# KiCad board F02-Func-Decoder-p.kicad_pcb (continued)
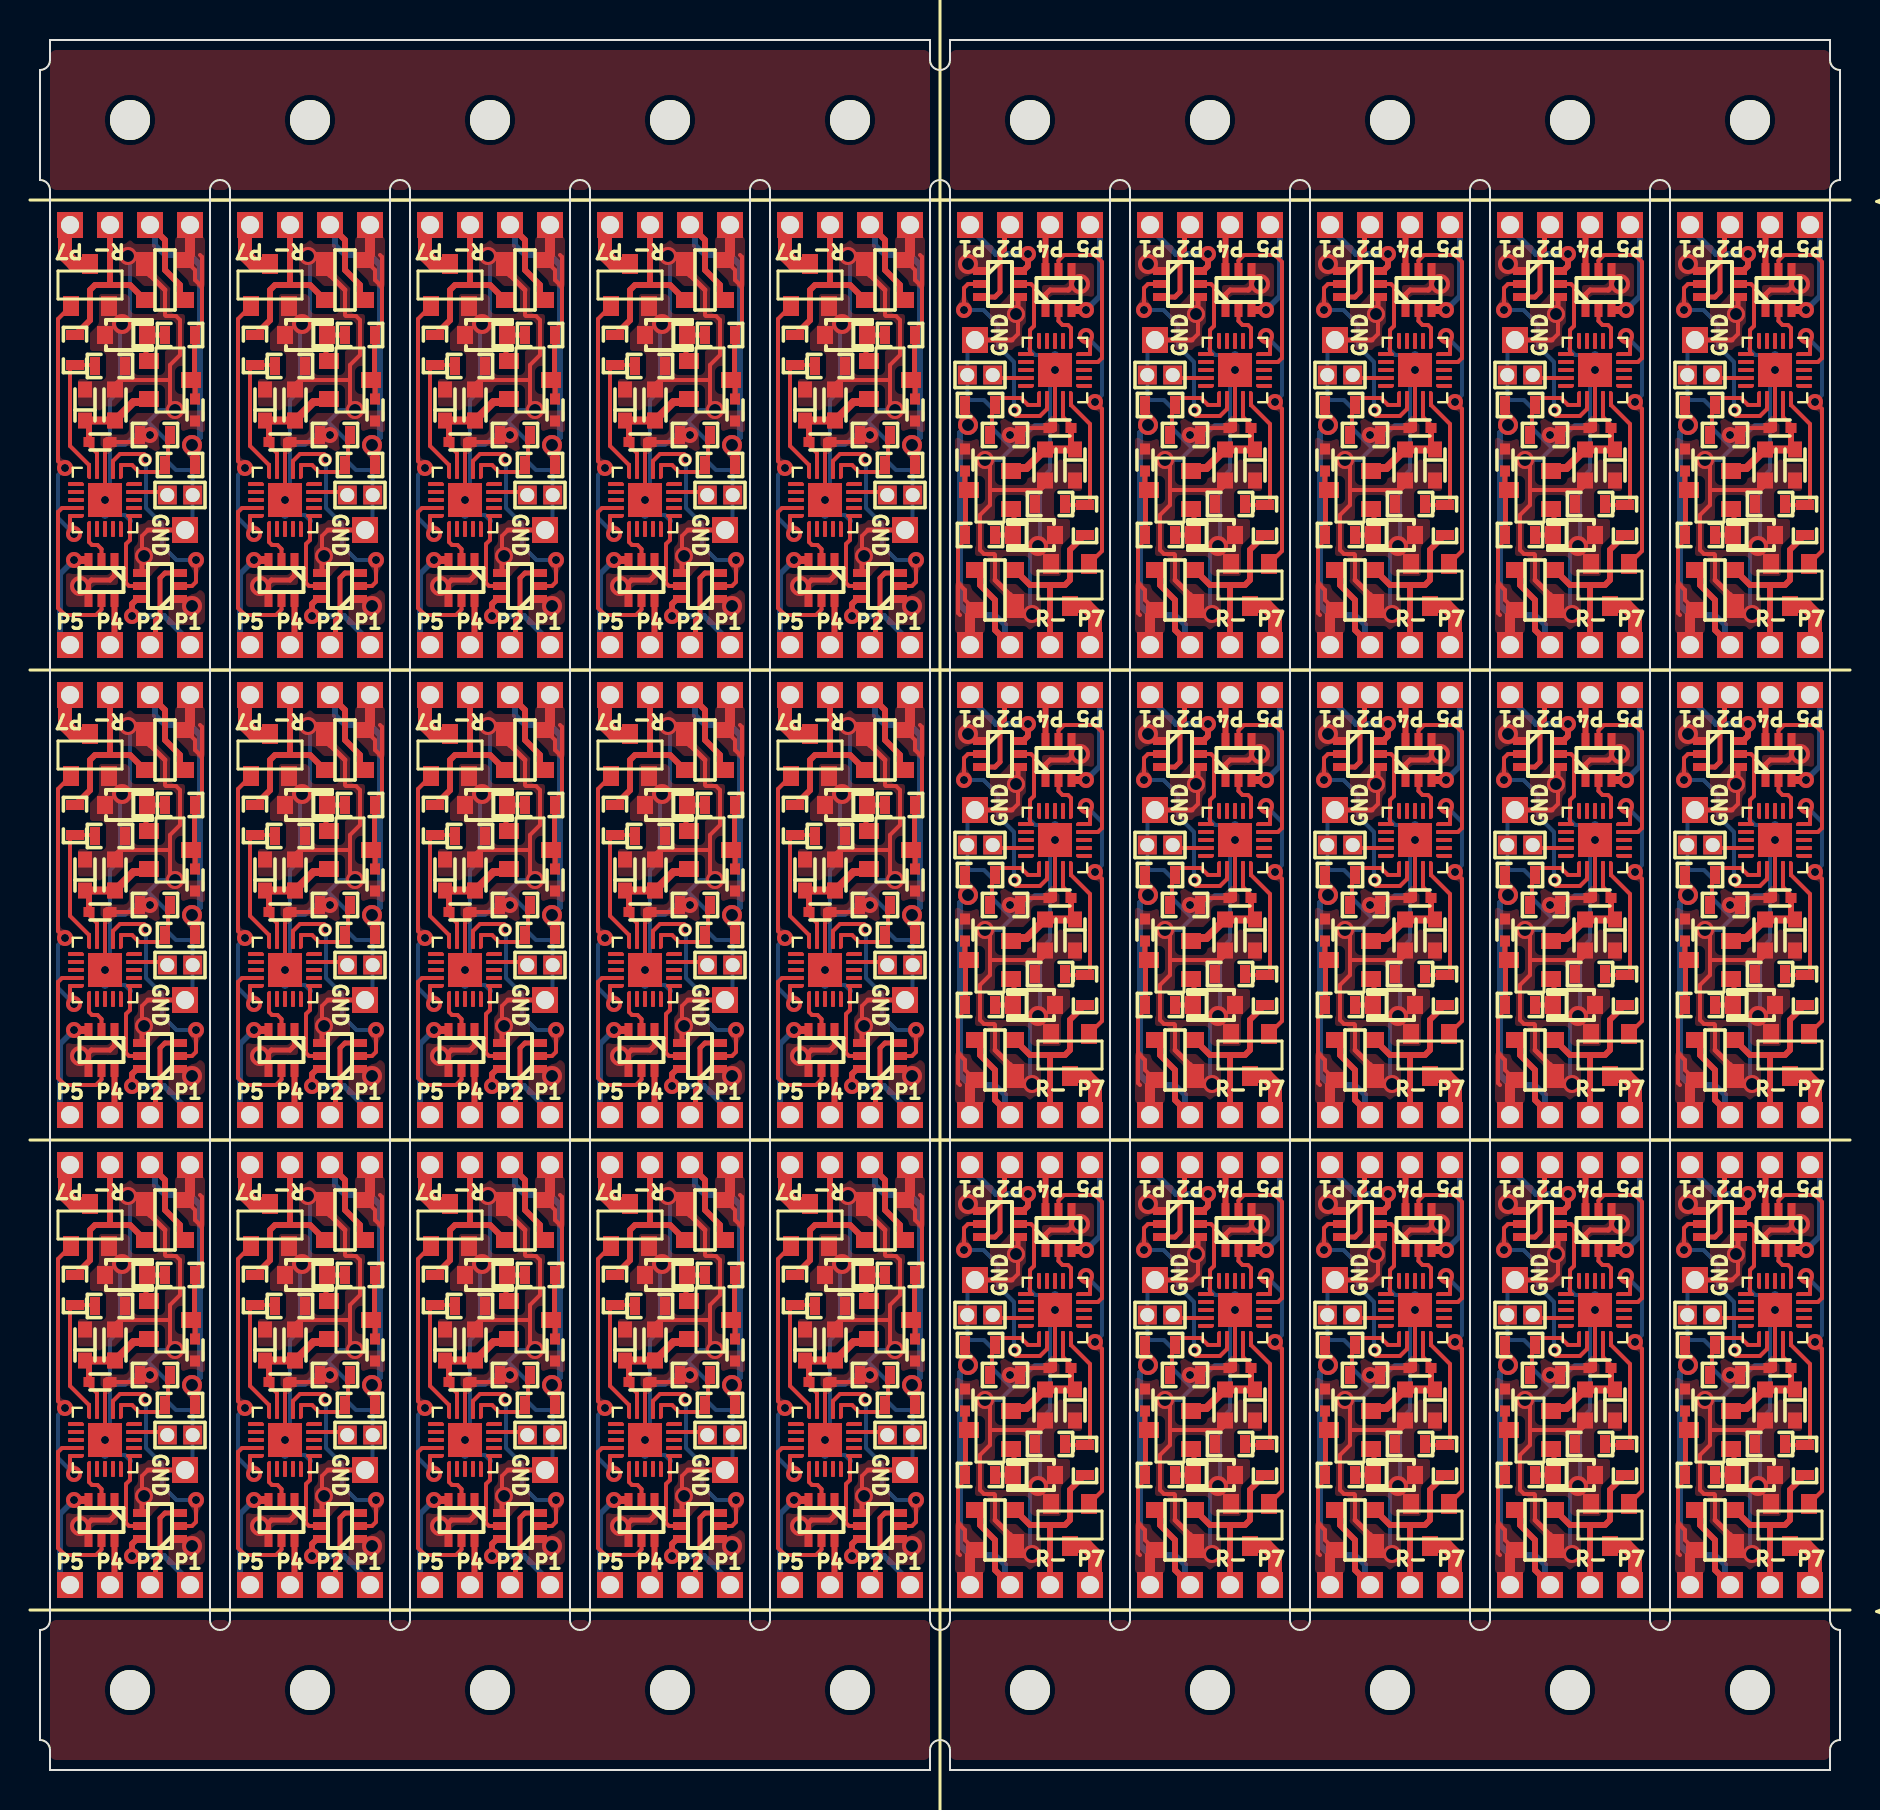
[diagram p0: board, top side]
## Placement (name value [footprint] x y rotation side) (continued)
P16  PAD  [PAD_1.3x1.3_Hole0.9]  57.5 9.25 270 top
P16#2  PAD  [PAD_1.3x1.3_Hole0.9]  32.5 77.25 90 top
P17  PAD  [PAD_1.3x1.3_Hole0.9]  30.5 77.25 90 top
P17#2  PAD  [PAD_1.3x1.3_Hole0.9]  59.5 9.25 270 top
P18  PAD  [PAD_1.3x1.3_Hole0.9]  34.5 77.25 90 top
P18#2  PAD  [PAD_1.3x1.3_Hole0.9]  55.5 9.25 270 top
P19  PAD  [PAD_1.3x1.3_Hole0.9]  34.25 62 270 top
P19#2  PAD  [PAD_1.3x1.3_Hole0.9]  55.75 24.5 90 top
P20  PROG  [PAD_PROG_2PIN_HOLE0.7]  34 63.75 0 top
P20#2  PROG  [PAD_PROG_2PIN_HOLE0.7]  56 22.75 180 top
P21  PAD  [PAD_1.3x1.3_Hole0.9]  48.5 9.25 270 top
P21#2  PAD  [PAD_1.3x1.3_Hole0.9]  41.5 77.25 90 top
P22  PAD  [PAD_1.3x1.3_Hole0.9]  39.5 77.25 90 top
P22#2  PAD  [PAD_1.3x1.3_Hole0.9]  50.5 9.25 270 top
P23  PAD  [PAD_1.3x1.3_Hole0.9]  46.5 9.25 270 top
P23#2  PAD  [PAD_1.3x1.3_Hole0.9]  43.5 77.25 90 top
P24  PAD  [PAD_1.3x1.3_Hole0.9]  46.75 24.5 90 top
P24#2  PAD  [PAD_1.3x1.3_Hole0.9]  43.25 62 270 top
P25  PROG  [PAD_PROG_2PIN_HOLE0.7]  47 22.75 180 top
P25#2  PROG  [PAD_PROG_2PIN_HOLE0.7]  43 63.75 0 top
P26  PAD  [PAD_1.3x1.3_Hole0.9]  84.5 32.75 270 top
P26#2  PAD  [PAD_1.3x1.3_Hole0.9]  5.5 53.75 90 top
P27  PAD  [PAD_1.3x1.3_Hole0.9]  86.5 32.75 270 top
P27#2  PAD  [PAD_1.3x1.3_Hole0.9]  3.5 53.75 90 top
P28  PAD  [PAD_1.3x1.3_Hole0.9]  7.5 53.75 90 top
P28#2  PAD  [PAD_1.3x1.3_Hole0.9]  82.5 32.75 270 top
P29  PAD  [PAD_1.3x1.3_Hole0.9]  82.75 48 90 top
P29#2  PAD  [PAD_1.3x1.3_Hole0.9]  7.25 38.5 270 top
P30  PROG  [PAD_PROG_2PIN_HOLE0.7]  7 40.25 0 top
P30#2  PROG  [PAD_PROG_2PIN_HOLE0.7]  83 46.25 180 top
P31  PAD  [PAD_1.3x1.3_Hole0.9]  75.5 32.75 270 top
P31#2  PAD  [PAD_1.3x1.3_Hole0.9]  14.5 53.75 90 top
P32  PAD  [PAD_1.3x1.3_Hole0.9]  12.5 53.75 90 top
P32#2  PAD  [PAD_1.3x1.3_Hole0.9]  77.5 32.75 270 top
P33  PAD  [PAD_1.3x1.3_Hole0.9]  73.5 32.75 270 top
P33#2  PAD  [PAD_1.3x1.3_Hole0.9]  16.5 53.75 90 top
P34  PAD  [PAD_1.3x1.3_Hole0.9]  73.75 48 90 top
P34#2  PAD  [PAD_1.3x1.3_Hole0.9]  16.25 38.5 270 top
P35  PROG  [PAD_PROG_2PIN_HOLE0.7]  16 40.25 0 top
P35#2  PROG  [PAD_PROG_2PIN_HOLE0.7]  74 46.25 180 top
P36  PAD  [PAD_1.3x1.3_Hole0.9]  66.5 32.75 270 top
P36#2  PAD  [PAD_1.3x1.3_Hole0.9]  23.5 53.75 90 top
P37  PAD  [PAD_1.3x1.3_Hole0.9]  68.5 32.75 270 top
P37#2  PAD  [PAD_1.3x1.3_Hole0.9]  21.5 53.75 90 top
P38  PAD  [PAD_1.3x1.3_Hole0.9]  25.5 53.75 90 top
P38#2  PAD  [PAD_1.3x1.3_Hole0.9]  64.5 32.75 270 top
P39  PAD  [PAD_1.3x1.3_Hole0.9]  25.25 38.5 270 top
P39#2  PAD  [PAD_1.3x1.3_Hole0.9]  64.75 48 90 top
P40  PROG  [PAD_PROG_2PIN_HOLE0.7]  25 40.25 0 top
P40#2  PROG  [PAD_PROG_2PIN_HOLE0.7]  65 46.25 180 top
P41  PAD  [PAD_1.3x1.3_Hole0.9]  57.5 32.75 270 top
P41#2  PAD  [PAD_1.3x1.3_Hole0.9]  32.5 53.75 90 top
P42  PAD  [PAD_1.3x1.3_Hole0.9]  30.5 53.75 90 top
P42#2  PAD  [PAD_1.3x1.3_Hole0.9]  59.5 32.75 270 top
P43  PAD  [PAD_1.3x1.3_Hole0.9]  55.5 32.75 270 top
P43#2  PAD  [PAD_1.3x1.3_Hole0.9]  34.5 53.75 90 top
P44  PAD  [PAD_1.3x1.3_Hole0.9]  34.25 38.5 270 top
P44#2  PAD  [PAD_1.3x1.3_Hole0.9]  55.75 48 90 top
P45  PROG  [PAD_PROG_2PIN_HOLE0.7]  56 46.25 180 top
P45#2  PROG  [PAD_PROG_2PIN_HOLE0.7]  34 40.25 0 top
P46  PAD  [PAD_1.3x1.3_Hole0.9]  41.5 53.75 90 top
P46#2  PAD  [PAD_1.3x1.3_Hole0.9]  48.5 32.75 270 top
P47  PAD  [PAD_1.3x1.3_Hole0.9]  39.5 53.75 90 top
P47#2  PAD  [PAD_1.3x1.3_Hole0.9]  50.5 32.75 270 top
P48  PAD  [PAD_1.3x1.3_Hole0.9]  43.5 53.75 90 top
P48#2  PAD  [PAD_1.3x1.3_Hole0.9]  46.5 32.75 270 top
P49  PAD  [PAD_1.3x1.3_Hole0.9]  43.25 38.5 270 top
P49#2  PAD  [PAD_1.3x1.3_Hole0.9]  46.75 48 90 top
P50  PROG  [PAD_PROG_2PIN_HOLE0.7]  47 46.25 180 top
P50#2  PROG  [PAD_PROG_2PIN_HOLE0.7]  43 40.25 0 top
P51  PAD  [PAD_1.3x1.3_Hole0.9]  5.5 30.25 90 top
P51#2  PAD  [PAD_1.3x1.3_Hole0.9]  84.5 56.25 270 top
P52  PAD  [PAD_1.3x1.3_Hole0.9]  86.5 56.25 270 top
P52#2  PAD  [PAD_1.3x1.3_Hole0.9]  3.5 30.25 90 top
P53  PAD  [PAD_1.3x1.3_Hole0.9]  7.5 30.25 90 top
P53#2  PAD  [PAD_1.3x1.3_Hole0.9]  82.5 56.25 270 top
P54  PAD  [PAD_1.3x1.3_Hole0.9]  7.25 15 270 top
P54#2  PAD  [PAD_1.3x1.3_Hole0.9]  82.75 71.5 90 top
P55  PROG  [PAD_PROG_2PIN_HOLE0.7]  83 69.75 180 top
P55#2  PROG  [PAD_PROG_2PIN_HOLE0.7]  7 16.75 0 top
P56  PAD  [PAD_1.3x1.3_Hole0.9]  14.5 30.25 90 top
P56#2  PAD  [PAD_1.3x1.3_Hole0.9]  75.5 56.25 270 top
P57  PAD  [PAD_1.3x1.3_Hole0.9]  12.5 30.25 90 top
P57#2  PAD  [PAD_1.3x1.3_Hole0.9]  77.5 56.25 270 top
P58  PAD  [PAD_1.3x1.3_Hole0.9]  73.5 56.25 270 top
P58#2  PAD  [PAD_1.3x1.3_Hole0.9]  16.5 30.25 90 top
P59  PAD  [PAD_1.3x1.3_Hole0.9]  73.75 71.5 90 top
P59#2  PAD  [PAD_1.3x1.3_Hole0.9]  16.25 15 270 top
P60  PROG  [PAD_PROG_2PIN_HOLE0.7]  74 69.75 180 top
P60#2  PROG  [PAD_PROG_2PIN_HOLE0.7]  16 16.75 0 top
P61  PAD  [PAD_1.3x1.3_Hole0.9]  23.5 30.25 90 top
P61#2  PAD  [PAD_1.3x1.3_Hole0.9]  66.5 56.25 270 top
P62  PAD  [PAD_1.3x1.3_Hole0.9]  68.5 56.25 270 top
P62#2  PAD  [PAD_1.3x1.3_Hole0.9]  21.5 30.25 90 top
P63  PAD  [PAD_1.3x1.3_Hole0.9]  25.5 30.25 90 top
P63#2  PAD  [PAD_1.3x1.3_Hole0.9]  64.5 56.25 270 top
P64  PAD  [PAD_1.3x1.3_Hole0.9]  25.25 15 270 top
P64#2  PAD  [PAD_1.3x1.3_Hole0.9]  64.75 71.5 90 top
P65  PROG  [PAD_PROG_2PIN_HOLE0.7]  25 16.75 0 top
P65#2  PROG  [PAD_PROG_2PIN_HOLE0.7]  65 69.75 180 top
P66  PAD  [PAD_1.3x1.3_Hole0.9]  32.5 30.25 90 top
P66#2  PAD  [PAD_1.3x1.3_Hole0.9]  57.5 56.25 270 top
P67  PAD  [PAD_1.3x1.3_Hole0.9]  59.5 56.25 270 top
P67#2  PAD  [PAD_1.3x1.3_Hole0.9]  30.5 30.25 90 top
P68  PAD  [PAD_1.3x1.3_Hole0.9]  55.5 56.25 270 top
P68#2  PAD  [PAD_1.3x1.3_Hole0.9]  34.5 30.25 90 top
P69  PAD  [PAD_1.3x1.3_Hole0.9]  55.75 71.5 90 top
P69#2  PAD  [PAD_1.3x1.3_Hole0.9]  34.25 15 270 top
P70  PROG  [PAD_PROG_2PIN_HOLE0.7]  34 16.75 0 top
P70#2  PROG  [PAD_PROG_2PIN_HOLE0.7]  56 69.75 180 top
P71  PAD  [PAD_1.3x1.3_Hole0.9]  41.5 30.25 90 top
P71#2  PAD  [PAD_1.3x1.3_Hole0.9]  48.5 56.25 270 top
P72  PAD  [PAD_1.3x1.3_Hole0.9]  50.5 56.25 270 top
P72#2  PAD  [PAD_1.3x1.3_Hole0.9]  39.5 30.25 90 top
P73  PAD  [PAD_1.3x1.3_Hole0.9]  43.5 30.25 90 top
P73#2  PAD  [PAD_1.3x1.3_Hole0.9]  46.5 56.25 270 top
P74  PAD  [PAD_1.3x1.3_Hole0.9]  46.75 71.5 90 top
P74#2  PAD  [PAD_1.3x1.3_Hole0.9]  43.25 15 270 top
P75  PROG  [PAD_PROG_2PIN_HOLE0.7]  43 16.75 0 top
P75#2  PROG  [PAD_PROG_2PIN_HOLE0.7]  47 69.75 180 top
Q1  2SC4116  [SOT-23]  6.5 69.5 270 top
Q1#2  2SC4116  [SOT-23]  83.5 17 90 top
Q2  2N7002DW  [SOT-363-nomark-v2]  84 27.3 270 top
Q2#2  2N7002DW  [SOT-363-nomark-v2]  6 59.2 90 top
Q3  SSM3K7002CFU  [SOT-23]  87.5 12.25 180 top
Q3#2  SSM3K7002CFU  [SOT-23]  2.5 74.25 0 top
Q4  2N7002DW  [SOT-363-nomark-v2]  3.08 59.5 180 top
Q4#2  2N7002DW  [SOT-363-nomark-v2]  86.93 27 0 top
Q5  2SC4116  [SOT-23]  74.5 17 90 top
Q5#2  2SC4116  [SOT-23]  15.5 69.5 270 top
Q6  2N7002DW  [SOT-363-nomark-v2]  15 59.2 90 top
Q6#2  2N7002DW  [SOT-363-nomark-v2]  75 27.3 270 top
Q7  SSM3K7002CFU  [SOT-23]  11.5 74.25 0 top
Q7#2  SSM3K7002CFU  [SOT-23]  78.5 12.25 180 top
Q8  2N7002DW  [SOT-363-nomark-v2]  12.08 59.5 180 top
Q8#2  2N7002DW  [SOT-363-nomark-v2]  77.93 27 0 top
Q9  2SC4116  [SOT-23]  24.5 69.5 270 top
Q9#2  2SC4116  [SOT-23]  65.5 17 90 top
Q10  2N7002DW  [SOT-363-nomark-v2]  66 27.3 270 top
Q10#2  2N7002DW  [SOT-363-nomark-v2]  24 59.2 90 top
Q11  SSM3K7002CFU  [SOT-23]  20.5 74.25 0 top
Q11#2  SSM3K7002CFU  [SOT-23]  69.5 12.25 180 top
Q12  2N7002DW  [SOT-363-nomark-v2]  68.93 27 0 top
Q12#2  2N7002DW  [SOT-363-nomark-v2]  21.08 59.5 180 top
Q13  2SC4116  [SOT-23]  56.5 17 90 top
Q13#2  2SC4116  [SOT-23]  33.5 69.5 270 top
Q14  2N7002DW  [SOT-363-nomark-v2]  57 27.3 270 top
Q14#2  2N7002DW  [SOT-363-nomark-v2]  33 59.2 90 top
Q15  SSM3K7002CFU  [SOT-23]  29.5 74.25 0 top
Q15#2  SSM3K7002CFU  [SOT-23]  60.5 12.25 180 top
Q16  2N7002DW  [SOT-363-nomark-v2]  59.93 27 0 top
Q16#2  2N7002DW  [SOT-363-nomark-v2]  30.07 59.5 180 top
Q17  2SC4116  [SOT-23]  42.5 69.5 270 top
Q17#2  2SC4116  [SOT-23]  47.5 17 90 top
Q18  2N7002DW  [SOT-363-nomark-v2]  48 27.3 270 top
Q18#2  2N7002DW  [SOT-363-nomark-v2]  42 59.2 90 top
Q19  SSM3K7002CFU  [SOT-23]  51.5 12.25 180 top
Q19#2  SSM3K7002CFU  [SOT-23]  38.5 74.25 0 top
Q20  2N7002DW  [SOT-363-nomark-v2]  39.07 59.5 180 top
Q20#2  2N7002DW  [SOT-363-nomark-v2]  50.93 27 0 top
Q21  2SC4116  [SOT-23]  6.5 46 270 top
Q21#2  2SC4116  [SOT-23]  83.5 40.5 90 top
Q22  2N7002DW  [SOT-363-nomark-v2]  6 35.7 90 top
Q22#2  2N7002DW  [SOT-363-nomark-v2]  84 50.8 270 top
Q23  SSM3K7002CFU  [SOT-23]  2.5 50.75 0 top
Q23#2  SSM3K7002CFU  [SOT-23]  87.5 35.75 180 top
Q24  2N7002DW  [SOT-363-nomark-v2]  3.08 36 180 top
Q24#2  2N7002DW  [SOT-363-nomark-v2]  86.93 50.5 0 top
Q25  2SC4116  [SOT-23]  74.5 40.5 90 top
Q25#2  2SC4116  [SOT-23]  15.5 46 270 top
Q26  2N7002DW  [SOT-363-nomark-v2]  15 35.7 90 top
Q26#2  2N7002DW  [SOT-363-nomark-v2]  75 50.8 270 top
Q27  SSM3K7002CFU  [SOT-23]  11.5 50.75 0 top
Q27#2  SSM3K7002CFU  [SOT-23]  78.5 35.75 180 top
Q28  2N7002DW  [SOT-363-nomark-v2]  77.93 50.5 0 top
Q28#2  2N7002DW  [SOT-363-nomark-v2]  12.08 36 180 top
Q29  2SC4116  [SOT-23]  65.5 40.5 90 top
Q29#2  2SC4116  [SOT-23]  24.5 46 270 top
Q30  2N7002DW  [SOT-363-nomark-v2]  66 50.8 270 top
Q30#2  2N7002DW  [SOT-363-nomark-v2]  24 35.7 90 top
Q31  SSM3K7002CFU  [SOT-23]  20.5 50.75 0 top
Q31#2  SSM3K7002CFU  [SOT-23]  69.5 35.75 180 top
Q32  2N7002DW  [SOT-363-nomark-v2]  21.08 36 180 top
Q32#2  2N7002DW  [SOT-363-nomark-v2]  68.93 50.5 0 top
Q33  2SC4116  [SOT-23]  33.5 46 270 top
Q33#2  2SC4116  [SOT-23]  56.5 40.5 90 top
Q34  2N7002DW  [SOT-363-nomark-v2]  57 50.8 270 top
Q34#2  2N7002DW  [SOT-363-nomark-v2]  33 35.7 90 top
Q35  SSM3K7002CFU  [SOT-23]  60.5 35.75 180 top
Q35#2  SSM3K7002CFU  [SOT-23]  29.5 50.75 0 top
Q36  2N7002DW  [SOT-363-nomark-v2]  30.07 36 180 top
Q36#2  2N7002DW  [SOT-363-nomark-v2]  59.93 50.5 0 top
Q37  2SC4116  [SOT-23]  42.5 46 270 top
Q37#2  2SC4116  [SOT-23]  47.5 40.5 90 top
Q38  2N7002DW  [SOT-363-nomark-v2]  42 35.7 90 top
Q38#2  2N7002DW  [SOT-363-nomark-v2]  48 50.8 270 top
Q39  SSM3K7002CFU  [SOT-23]  38.5 50.75 0 top
Q39#2  SSM3K7002CFU  [SOT-23]  51.5 35.75 180 top
Q40  2N7002DW  [SOT-363-nomark-v2]  39.07 36 180 top
Q40#2  2N7002DW  [SOT-363-nomark-v2]  50.93 50.5 0 top
Q41  2SC4116  [SOT-23]  6.5 22.5 270 top
Q41#2  2SC4116  [SOT-23]  83.5 64 90 top
Q42  2N7002DW  [SOT-363-nomark-v2]  84 74.3 270 top
Q42#2  2N7002DW  [SOT-363-nomark-v2]  6 12.2 90 top
Q43  SSM3K7002CFU  [SOT-23]  87.5 59.25 180 top
Q43#2  SSM3K7002CFU  [SOT-23]  2.5 27.25 0 top
Q44  2N7002DW  [SOT-363-nomark-v2]  3.08 12.5 180 top
Q44#2  2N7002DW  [SOT-363-nomark-v2]  86.93 74 0 top
Q45  2SC4116  [SOT-23]  15.5 22.5 270 top
Q45#2  2SC4116  [SOT-23]  74.5 64 90 top
Q46  2N7002DW  [SOT-363-nomark-v2]  15 12.2 90 top
Q46#2  2N7002DW  [SOT-363-nomark-v2]  75 74.3 270 top
Q47  SSM3K7002CFU  [SOT-23]  78.5 59.25 180 top
Q47#2  SSM3K7002CFU  [SOT-23]  11.5 27.25 0 top
Q48  2N7002DW  [SOT-363-nomark-v2]  12.08 12.5 180 top
Q48#2  2N7002DW  [SOT-363-nomark-v2]  77.93 74 0 top
Q49  2SC4116  [SOT-23]  65.5 64 90 top
Q49#2  2SC4116  [SOT-23]  24.5 22.5 270 top
Q50  2N7002DW  [SOT-363-nomark-v2]  24 12.2 90 top
Q50#2  2N7002DW  [SOT-363-nomark-v2]  66 74.3 270 top
Q51  SSM3K7002CFU  [SOT-23]  69.5 59.25 180 top
Q51#2  SSM3K7002CFU  [SOT-23]  20.5 27.25 0 top
Q52  2N7002DW  [SOT-363-nomark-v2]  68.93 74 0 top
Q52#2  2N7002DW  [SOT-363-nomark-v2]  21.08 12.5 180 top
Q53  2SC4116  [SOT-23]  33.5 22.5 270 top
Q53#2  2SC4116  [SOT-23]  56.5 64 90 top
Q54  2N7002DW  [SOT-363-nomark-v2]  57 74.3 270 top
Q54#2  2N7002DW  [SOT-363-nomark-v2]  33 12.2 90 top
Q55  SSM3K7002CFU  [SOT-23]  29.5 27.25 0 top
Q55#2  SSM3K7002CFU  [SOT-23]  60.5 59.25 180 top
Q56  2N7002DW  [SOT-363-nomark-v2]  30.07 12.5 180 top
Q56#2  2N7002DW  [SOT-363-nomark-v2]  59.93 74 0 top
Q57  2SC4116  [SOT-23]  42.5 22.5 270 top
Q57#2  2SC4116  [SOT-23]  47.5 64 90 top
Q58  2N7002DW  [SOT-363-nomark-v2]  42 12.2 90 top
Q58#2  2N7002DW  [SOT-363-nomark-v2]  48 74.3 270 top
Q59  SSM3K7002CFU  [SOT-23]  38.5 27.25 0 top
Q59#2  SSM3K7002CFU  [SOT-23]  51.5 59.25 180 top
Q60  2N7002DW  [SOT-363-nomark-v2]  50.93 74 0 top
Q60#2  2N7002DW  [SOT-363-nomark-v2]  39.07 12.5 180 top
R1  104  [R_1608_20240411]  7 65.25 180 top
R1#2  104  [R_1608_20240411]  83 21.25 0 top
R2  104  [R_1608_20240411]  88.25 15.5 90 top
R2#2  104  [R_1608_20240411]  1.75 71 270 top
R3  104  [R_1608_20240411]  84.25 19.75 0 top
R3#2  104  [R_1608_20240411]  5.75 66.75 180 top
R4  104  [R_1608_20240411]  86.5 16.3 180 top
R4#2  104  [R_1608_20240411]  3.5 70.2 0 top
R5  472  [R_1608_20240411]  83 14.75 0 top
R5#2  472  [R_1608_20240411]  7 71.75 180 top
R6  104  [R_1608_20240411]  16 65.25 180 top
R6#2  104  [R_1608_20240411]  74 21.25 0 top
R7  104  [R_1608_20240411]  79.25 15.5 90 top
R7#2  104  [R_1608_20240411]  10.75 71 270 top
R8  104  [R_1608_20240411]  14.75 66.75 180 top
R8#2  104  [R_1608_20240411]  75.25 19.75 0 top
R9  104  [R_1608_20240411]  77.5 16.3 180 top
R9#2  104  [R_1608_20240411]  12.5 70.2 0 top
R10  472  [R_1608_20240411]  16 71.75 180 top
R10#2  472  [R_1608_20240411]  74 14.75 0 top
R11  104  [R_1608_20240411]  25 65.25 180 top
R11#2  104  [R_1608_20240411]  65 21.25 0 top
R12  104  [R_1608_20240411]  70.25 15.5 90 top
R12#2  104  [R_1608_20240411]  19.75 71 270 top
R13  104  [R_1608_20240411]  66.25 19.75 0 top
R13#2  104  [R_1608_20240411]  23.75 66.75 180 top
R14  104  [R_1608_20240411]  21.5 70.2 0 top
R14#2  104  [R_1608_20240411]  68.5 16.3 180 top
R15  472  [R_1608_20240411]  65 14.75 0 top
R15#2  472  [R_1608_20240411]  25 71.75 180 top
R16  104  [R_1608_20240411]  56 21.25 0 top
R16#2  104  [R_1608_20240411]  34 65.25 180 top
R17  104  [R_1608_20240411]  61.25 15.5 90 top
R17#2  104  [R_1608_20240411]  28.75 71 270 top
R18  104  [R_1608_20240411]  32.75 66.75 180 top
R18#2  104  [R_1608_20240411]  57.25 19.75 0 top
R19  104  [R_1608_20240411]  30.5 70.2 0 top
R19#2  104  [R_1608_20240411]  59.5 16.3 180 top
R20  472  [R_1608_20240411]  56 14.75 0 top
R20#2  472  [R_1608_20240411]  34 71.75 180 top
R21  104  [R_1608_20240411]  47 21.25 0 top
R21#2  104  [R_1608_20240411]  43 65.25 180 top
R22  104  [R_1608_20240411]  52.25 15.5 90 top
R22#2  104  [R_1608_20240411]  37.75 71 270 top
R23  104  [R_1608_20240411]  41.75 66.75 180 top
R23#2  104  [R_1608_20240411]  48.25 19.75 0 top
R24  104  [R_1608_20240411]  39.5 70.2 0 top
R24#2  104  [R_1608_20240411]  50.5 16.3 180 top
R25  472  [R_1608_20240411]  47 14.75 0 top
R25#2  472  [R_1608_20240411]  43 71.75 180 top
R26  104  [R_1608_20240411]  7 41.75 180 top
R26#2  104  [R_1608_20240411]  83 44.75 0 top
R27  104  [R_1608_20240411]  88.25 39 90 top
R27#2  104  [R_1608_20240411]  1.75 47.5 270 top
R28  104  [R_1608_20240411]  5.75 43.25 180 top
R28#2  104  [R_1608_20240411]  84.25 43.25 0 top
R29  104  [R_1608_20240411]  86.5 39.8 180 top
R29#2  104  [R_1608_20240411]  3.5 46.7 0 top
R30  472  [R_1608_20240411]  83 38.25 0 top
R30#2  472  [R_1608_20240411]  7 48.25 180 top
R31  104  [R_1608_20240411]  74 44.75 0 top
R31#2  104  [R_1608_20240411]  16 41.75 180 top
R32  104  [R_1608_20240411]  10.75 47.5 270 top
R32#2  104  [R_1608_20240411]  79.25 39 90 top
R33  104  [R_1608_20240411]  75.25 43.25 0 top
R33#2  104  [R_1608_20240411]  14.75 43.25 180 top
R34  104  [R_1608_20240411]  77.5 39.8 180 top
R34#2  104  [R_1608_20240411]  12.5 46.7 0 top
R35  472  [R_1608_20240411]  74 38.25 0 top
R35#2  472  [R_1608_20240411]  16 48.25 180 top
R36  104  [R_1608_20240411]  25 41.75 180 top
R36#2  104  [R_1608_20240411]  65 44.75 0 top
R37  104  [R_1608_20240411]  19.75 47.5 270 top
R37#2  104  [R_1608_20240411]  70.25 39 90 top
R38  104  [R_1608_20240411]  66.25 43.25 0 top
R38#2  104  [R_1608_20240411]  23.75 43.25 180 top
R39  104  [R_1608_20240411]  21.5 46.7 0 top
R39#2  104  [R_1608_20240411]  68.5 39.8 180 top
R40  472  [R_1608_20240411]  65 38.25 0 top
R40#2  472  [R_1608_20240411]  25 48.25 180 top
R41  104  [R_1608_20240411]  34 41.75 180 top
R41#2  104  [R_1608_20240411]  56 44.75 0 top
R42  104  [R_1608_20240411]  61.25 39 90 top
R42#2  104  [R_1608_20240411]  28.75 47.5 270 top
R43  104  [R_1608_20240411]  57.25 43.25 0 top
R43#2  104  [R_1608_20240411]  32.75 43.25 180 top
R44  104  [R_1608_20240411]  30.5 46.7 0 top
R44#2  104  [R_1608_20240411]  59.5 39.8 180 top
R45  472  [R_1608_20240411]  34 48.25 180 top
R45#2  472  [R_1608_20240411]  56 38.25 0 top
R46  104  [R_1608_20240411]  43 41.75 180 top
R46#2  104  [R_1608_20240411]  47 44.75 0 top
R47  104  [R_1608_20240411]  37.75 47.5 270 top
R47#2  104  [R_1608_20240411]  52.25 39 90 top
R48  104  [R_1608_20240411]  41.75 43.25 180 top
R48#2  104  [R_1608_20240411]  48.25 43.25 0 top
R49  104  [R_1608_20240411]  39.5 46.7 0 top
R49#2  104  [R_1608_20240411]  50.5 39.8 180 top
R50  472  [R_1608_20240411]  47 38.25 0 top
R50#2  472  [R_1608_20240411]  43 48.25 180 top
R51  104  [R_1608_20240411]  7 18.25 180 top
R51#2  104  [R_1608_20240411]  83 68.25 0 top
R52  104  [R_1608_20240411]  1.75 24 270 top
R52#2  104  [R_1608_20240411]  88.25 62.5 90 top
R53  104  [R_1608_20240411]  5.75 19.75 180 top
R53#2  104  [R_1608_20240411]  84.25 66.75 0 top
R54  104  [R_1608_20240411]  86.5 63.3 180 top
R54#2  104  [R_1608_20240411]  3.5 23.2 0 top
R55  472  [R_1608_20240411]  83 61.75 0 top
R55#2  472  [R_1608_20240411]  7 24.75 180 top
R56  104  [R_1608_20240411]  74 68.25 0 top
R56#2  104  [R_1608_20240411]  16 18.25 180 top
R57  104  [R_1608_20240411]  10.75 24 270 top
R57#2  104  [R_1608_20240411]  79.25 62.5 90 top
R58  104  [R_1608_20240411]  14.75 19.75 180 top
R58#2  104  [R_1608_20240411]  75.25 66.75 0 top
R59  104  [R_1608_20240411]  77.5 63.3 180 top
R59#2  104  [R_1608_20240411]  12.5 23.2 0 top
R60  472  [R_1608_20240411]  74 61.75 0 top
R60#2  472  [R_1608_20240411]  16 24.75 180 top
R61  104  [R_1608_20240411]  25 18.25 180 top
R61#2  104  [R_1608_20240411]  65 68.25 0 top
R62  104  [R_1608_20240411]  70.25 62.5 90 top
R62#2  104  [R_1608_20240411]  19.75 24 270 top
R63  104  [R_1608_20240411]  66.25 66.75 0 top
R63#2  104  [R_1608_20240411]  23.75 19.75 180 top
R64  104  [R_1608_20240411]  21.5 23.2 0 top
R64#2  104  [R_1608_20240411]  68.5 63.3 180 top
R65  472  [R_1608_20240411]  25 24.75 180 top
R65#2  472  [R_1608_20240411]  65 61.75 0 top
R66  104  [R_1608_20240411]  34 18.25 180 top
R66#2  104  [R_1608_20240411]  56 68.25 0 top
R67  104  [R_1608_20240411]  61.25 62.5 90 top
R67#2  104  [R_1608_20240411]  28.75 24 270 top
R68  104  [R_1608_20240411]  57.25 66.75 0 top
R68#2  104  [R_1608_20240411]  32.75 19.75 180 top
R69  104  [R_1608_20240411]  30.5 23.2 0 top
R69#2  104  [R_1608_20240411]  59.5 63.3 180 top
R70  472  [R_1608_20240411]  56 61.75 0 top
R70#2  472  [R_1608_20240411]  34 24.75 180 top
R71  104  [R_1608_20240411]  43 18.25 180 top
R71#2  104  [R_1608_20240411]  47 68.25 0 top
R72  104  [R_1608_20240411]  52.25 62.5 90 top
R72#2  104  [R_1608_20240411]  37.75 24 270 top
R73  104  [R_1608_20240411]  41.75 19.75 180 top
R73#2  104  [R_1608_20240411]  48.25 66.75 0 top
R74  104  [R_1608_20240411]  39.5 23.2 0 top
R74#2  104  [R_1608_20240411]  50.5 63.3 180 top
R75  472  [R_1608_20240411]  43 24.75 180 top
R75#2  472  [R_1608_20240411]  47 61.75 0 top
REF**  -  [HOLE_MASK_LOCK]  49.5 4 90 top
REF**#2  -  [HOLE_MASK_LOCK]  49.5 82.5 270 top
REF**#3  -  [HOLE_MASK_LOCK]  58.5 82.5 270 top
REF**#4  -  [HOLE_MASK_LOCK]  22.5 4 90 top
REF**#5  -  [HOLE_MASK_LOCK]  13.5 4 90 top
REF**#6  -  [HOLE_MASK_LOCK]  13.5 82.5 270 top
REF**#7  -  [HOLE_MASK_LOCK]  76.5 4 90 top
REF**#8  -  [HOLE_MASK_LOCK]  67.5 82.5 270 top
REF**#9  -  [HOLE_MASK_LOCK]  85.5 4 90 top
REF**#10  -  [HOLE_MASK_LOCK]  22.5 82.5 270 top
REF**#11  -  [HOLE_MASK_LOCK]  67.5 4 90 top
REF**#12  -  [HOLE_MASK_LOCK]  31.5 4 90 top
REF**#13  -  [HOLE_MASK_LOCK]  4.5 4 90 top
REF**#14  -  [HOLE_MASK_LOCK]  76.5 82.5 270 top
REF**#15  -  [HOLE_MASK_LOCK]  4.5 82.5 270 top
REF**#16  -  [HOLE_MASK_LOCK]  40.5 82.5 270 top
REF**#17  -  [HOLE_MASK_LOCK]  31.5 82.5 270 top
REF**#18  -  [HOLE_MASK_LOCK]  85.5 82.5 270 top
REF**#19  -  [HOLE_MASK_LOCK]  40.5 4 90 top
REF**#20  -  [HOLE_MASK_LOCK]  58.5 4 90 top
U1  ATtiny1606-M  [VQFN-20-1EP_3x3mm_P0.4mm_EP1.7x1.7mm]  3.25 63.5 270 top
U1#2  ATtiny1606-M  [VQFN-20-1EP_3x3mm_P0.4mm_EP1.7x1.7mm]  86.75 23 90 top
U2  ATtiny1606-M  [VQFN-20-1EP_3x3mm_P0.4mm_EP1.7x1.7mm]  77.75 23 90 top
U2#2  ATtiny1606-M  [VQFN-20-1EP_3x3mm_P0.4mm_EP1.7x1.7mm]  12.25 63.5 270 top
U3  ATtiny1606-M  [VQFN-20-1EP_3x3mm_P0.4mm_EP1.7x1.7mm]  68.75 23 90 top
U3#2  ATtiny1606-M  [VQFN-20-1EP_3x3mm_P0.4mm_EP1.7x1.7mm]  21.25 63.5 270 top
U4  ATtiny1606-M  [VQFN-20-1EP_3x3mm_P0.4mm_EP1.7x1.7mm]  30.25 63.5 270 top
U4#2  ATtiny1606-M  [VQFN-20-1EP_3x3mm_P0.4mm_EP1.7x1.7mm]  59.75 23 90 top
U5  ATtiny1606-M  [VQFN-20-1EP_3x3mm_P0.4mm_EP1.7x1.7mm]  50.75 23 90 top
U5#2  ATtiny1606-M  [VQFN-20-1EP_3x3mm_P0.4mm_EP1.7x1.7mm]  39.25 63.5 270 top
U6  ATtiny1606-M  [VQFN-20-1EP_3x3mm_P0.4mm_EP1.7x1.7mm]  86.75 46.5 90 top
U6#2  ATtiny1606-M  [VQFN-20-1EP_3x3mm_P0.4mm_EP1.7x1.7mm]  3.25 40 270 top
U7  ATtiny1606-M  [VQFN-20-1EP_3x3mm_P0.4mm_EP1.7x1.7mm]  12.25 40 270 top
U7#2  ATtiny1606-M  [VQFN-20-1EP_3x3mm_P0.4mm_EP1.7x1.7mm]  77.75 46.5 90 top
U8  ATtiny1606-M  [VQFN-20-1EP_3x3mm_P0.4mm_EP1.7x1.7mm]  68.75 46.5 90 top
U8#2  ATtiny1606-M  [VQFN-20-1EP_3x3mm_P0.4mm_EP1.7x1.7mm]  21.25 40 270 top
U9  ATtiny1606-M  [VQFN-20-1EP_3x3mm_P0.4mm_EP1.7x1.7mm]  30.25 40 270 top
U9#2  ATtiny1606-M  [VQFN-20-1EP_3x3mm_P0.4mm_EP1.7x1.7mm]  59.75 46.5 90 top
U10  ATtiny1606-M  [VQFN-20-1EP_3x3mm_P0.4mm_EP1.7x1.7mm]  39.25 40 270 top
U10#2  ATtiny1606-M  [VQFN-20-1EP_3x3mm_P0.4mm_EP1.7x1.7mm]  50.75 46.5 90 top
U11  ATtiny1606-M  [VQFN-20-1EP_3x3mm_P0.4mm_EP1.7x1.7mm]  86.75 70 90 top
U11#2  ATtiny1606-M  [VQFN-20-1EP_3x3mm_P0.4mm_EP1.7x1.7mm]  3.25 16.5 270 top
U12  ATtiny1606-M  [VQFN-20-1EP_3x3mm_P0.4mm_EP1.7x1.7mm]  77.75 70 90 top
U12#2  ATtiny1606-M  [VQFN-20-1EP_3x3mm_P0.4mm_EP1.7x1.7mm]  12.25 16.5 270 top
U13  ATtiny1606-M  [VQFN-20-1EP_3x3mm_P0.4mm_EP1.7x1.7mm]  68.75 70 90 top
U13#2  ATtiny1606-M  [VQFN-20-1EP_3x3mm_P0.4mm_EP1.7x1.7mm]  21.25 16.5 270 top
U14  ATtiny1606-M  [VQFN-20-1EP_3x3mm_P0.4mm_EP1.7x1.7mm]  30.25 16.5 270 top
U14#2  ATtiny1606-M  [VQFN-20-1EP_3x3mm_P0.4mm_EP1.7x1.7mm]  59.75 70 90 top
U15  ATtiny1606-M  [VQFN-20-1EP_3x3mm_P0.4mm_EP1.7x1.7mm]  50.75 70 90 top
U15#2  ATtiny1606-M  [VQFN-20-1EP_3x3mm_P0.4mm_EP1.7x1.7mm]  39.25 16.5 270 top

## Library data of the parts
C1 C1#2 C2 C2#2 C3 C3#2 C5 C5#2 C6 C6#2 C7 C7#2 C9 C9#2 C10 C10#2 C11 C11#2 C13 C13#2 C14 C14#2 C15 C15#2 C17 C17#2 C18 C18#2 C19 C19#2 C21 C21#2 C22 C22#2 C23 C23#2 C25 C25#2 C26 C26#2 C27 C27#2 C29 C29#2 C30 C30#2 C31 C31#2 C33 C33#2 C34 C34#2 C35 C35#2 C37 C37#2 C38 C38#2 C39 C39#2 C41 C41#2 C42 C42#2 C43 C43#2 C45 C45#2 C46 C46#2 C47 C47#2 C49 C49#2 C50 C50#2 C51 C51#2 C53 C53#2 C54 C54#2 C55 C55#2 C57 C57#2 C58 C58#2 C59 C59#2 = -: Description: Unpolarized capacitor
D1 D1#2 D3 D3#2 D5 D5#2 D7 D7#2 D9 D9#2 D11 D11#2 D13 D13#2 D15 D15#2 D17 D17#2 D19 D19#2 D21 D21#2 D23 D23#2 D25 D25#2 D27 D27#2 D29 D29#2 = -: Description: Diode bridge, -ve/AC/AC/+ve
D2 D2#2 D4 D4#2 D6 D6#2 D8 D8#2 D10 D10#2 D12 D12#2 D14 D14#2 D16 D16#2 D18 D18#2 D20 D20#2 D22 D22#2 D24 D24#2 D26 D26#2 D28 D28#2 D30 D30#2 = -: Description: Zener diode
J1 J1#2 J2 J2#2 J3 J3#2 J4 J4#2 J5 J5#2 J6 J6#2 J7 J7#2 J8 J8#2 J9 J9#2 J10 J10#2 J11 J11#2 J12 J12#2 J13 J13#2 J14 J14#2 J15 J15#2 J16 J16#2 J17 J17#2 J18 J18#2 J19 J19#2 J20 J20#2 J21 J21#2 J22 J22#2 J23 J23#2 J24 J24#2 J25 J25#2 J26 J26#2 J27 J27#2 J28 J28#2 J29 J29#2 J30 J30#2 J31 J31#2 J32 J32#2 J33 J33#2 J34 J34#2 J35 J35#2 J36 J36#2 J37 J37#2 J38 J38#2 J39 J39#2 J40 J40#2 J41 J41#2 J42 J42#2 J43 J43#2 J44 J44#2 J45 J45#2 J46 J46#2 J47 J47#2 J48 J48#2 J49 J49#2 J50 J50#2 J51 J51#2 J52 J52#2 J53 J53#2 J54 J54#2 J55 J55#2 J56 J56#2 J57 J57#2 J58 J58#2 J59 J59#2 J60 J60#2 J61 J61#2 J62 J62#2 J63 J63#2 J64 J64#2 J65 J65#2 J66 J66#2 J67 J67#2 J68 J68#2 J69 J69#2 J70 J70#2 J71 J71#2 J72 J72#2 J73 J73#2 J74 J74#2 J75 J75#2 P1 P1#2 P2 P2#2 P3 P3#2 P4 P4#2 P6 P6#2 P7 P7#2 P8 P8#2 P9 P9#2 P11 P11#2 P12 P12#2 P13 P13#2 P14 P14#2 P16 P16#2 P17 P17#2 P18 P18#2 P19 P19#2 P21 P21#2 P22 P22#2 P23 P23#2 P24 P24#2 P26 P26#2 P27 P27#2 P28 P28#2 P29 P29#2 P31 P31#2 P32 P32#2 P33 P33#2 P34 P34#2 P36 P36#2 P37 P37#2 P38 P38#2 P39 P39#2 P41 P41#2 P42 P42#2 P43 P43#2 P44 P44#2 P46 P46#2 P47 P47#2 P48 P48#2 P49 P49#2 P51 P51#2 P52 P52#2 P53 P53#2 P54 P54#2 P56 P56#2 P57 P57#2 P58 P58#2 P59 P59#2 P61 P61#2 P62 P62#2 P63 P63#2 P64 P64#2 P66 P66#2 P67 P67#2 P68 P68#2 P69 P69#2 P71 P71#2 P72 P72#2 P73 P73#2 P74 P74#2 = -: Description: Generic connector, single row, 01x01, script generated (kicad-library-utils/schlib/autogen/connector/)
P5 P5#2 P10 P10#2 P15 P15#2 P20 P20#2 P25 P25#2 P30 P30#2 P35 P35#2 P40 P40#2 P45 P45#2 P50 P50#2 P55 P55#2 P60 P60#2 P65 P65#2 P70 P70#2 P75 P75#2 = -: Description: Generic connector, single row, 01x02, script generated (kicad-library-utils/schlib/autogen/connector/)
Q1 Q1#2 Q5 Q5#2 Q9 Q9#2 Q13 Q13#2 Q17 Q17#2 Q21 Q21#2 Q25 Q25#2 Q29 Q29#2 Q33 Q33#2 Q37 Q37#2 Q41 Q41#2 Q45 Q45#2 Q49 Q49#2 Q53 Q53#2 Q57 Q57#2 = -: Description: NPN transistor, base/emitter/collector
Q2 Q2#2 Q4 Q4#2 Q6 Q6#2 Q8 Q8#2 Q10 Q10#2 Q12 Q12#2 Q14 Q14#2 Q16 Q16#2 Q18 Q18#2 Q20 Q20#2 Q22 Q22#2 Q24 Q24#2 Q26 Q26#2 Q28 Q28#2 Q30 Q30#2 Q32 Q32#2 Q34 Q34#2 Q36 Q36#2 Q38 Q38#2 Q40 Q40#2 Q42 Q42#2 Q44 Q44#2 Q46 Q46#2 Q48 Q48#2 Q50 Q50#2 Q52 Q52#2 Q54 Q54#2 Q56 Q56#2 Q58 Q58#2 Q60 Q60#2 = -: Description: Dual NMOS transistor, 6 pin package
Q3 Q3#2 Q7 Q7#2 Q11 Q11#2 Q15 Q15#2 Q19 Q19#2 Q23 Q23#2 Q27 Q27#2 Q31 Q31#2 Q35 Q35#2 Q39 Q39#2 Q43 Q43#2 Q47 Q47#2 Q51 Q51#2 Q55 Q55#2 Q59 Q59#2 = -: Description: N-MOSFET transistor, gate/source/drain
R1 R1#2 R2 R2#2 R3 R3#2 R4 R4#2 R5 R5#2 R6 R6#2 R7 R7#2 R8 R8#2 R9 R9#2 R10 R10#2 R11 R11#2 R12 R12#2 R13 R13#2 R14 R14#2 R15 R15#2 R16 R16#2 R17 R17#2 R18 R18#2 R19 R19#2 R20 R20#2 R21 R21#2 R22 R22#2 R23 R23#2 R24 R24#2 R25 R25#2 R26 R26#2 R27 R27#2 R28 R28#2 R29 R29#2 R30 R30#2 R31 R31#2 R32 R32#2 R33 R33#2 R34 R34#2 R35 R35#2 R36 R36#2 R37 R37#2 R38 R38#2 R39 R39#2 R40 R40#2 R41 R41#2 R42 R42#2 R43 R43#2 R44 R44#2 R45 R45#2 R46 R46#2 R47 R47#2 R48 R48#2 R49 R49#2 R50 R50#2 R51 R51#2 R52 R52#2 R53 R53#2 R54 R54#2 R55 R55#2 R56 R56#2 R57 R57#2 R58 R58#2 R59 R59#2 R60 R60#2 R61 R61#2 R62 R62#2 R63 R63#2 R64 R64#2 R65 R65#2 R66 R66#2 R67 R67#2 R68 R68#2 R69 R69#2 R70 R70#2 R71 R71#2 R72 R72#2 R73 R73#2 R74 R74#2 R75 R75#2 = -: Description: Resistor
U1 U1#2 U2 U2#2 U3 U3#2 U4 U4#2 U5 U5#2 U6 U6#2 U7 U7#2 U8 U8#2 U9 U9#2 U10 U10#2 U11 U11#2 U12 U12#2 U13 U13#2 U14 U14#2 U15 U15#2 = -: Description: 20MHz, 16kB Flash, 1kB SRAM, 256B EEPROM, VQFN-20

## Footprints (pads in the part's own frame, mm; a bottom-side part is the same pattern mirrored in y, then rotated)
C_1005_v2
  rect 0.55x0.5 smd: 1(-0.55,0) 2(0.55,0)
C_1608
  rect 0.8x0.8 smd: 1(-0.775,0) 2(0.775,0)
CP_1608
  rect 0.8x0.7 smd: 1(-0.775,0) 2(0.775,0)
HOLE_MASK_LOCK
  round 2 hole 2 unplated: (0,0)
PAD_1.3x1.3_Hole0.9
  rect 1.3x1.3 hole 0.9: 1(0,0)
PAD_PROG_2PIN_HOLE0.7
  rect 0.95x0.95 hole 0.7: 1(-0.635,0) 2(0.635,0)
R_1608_20240411
  rect 0.5x0.9 smd: 1(-0.75,0) 2(0.75,0)
SOT-23
  rect 0.8x1 smd: 1(-0.95,-1.05) 2(0.95,-1.05) 3(0,1.05)
SOT-143
  rect 1.2x0.9 smd: 1(-0.8,-1)
  rect 0.8x0.9 smd: 2(1,-1) 3(1,1) 4(-1,1)
SOT-363-nomark-v2
  rect 0.4x0.8 smd: 1(-0.65,-0.95) 2(0,-0.95) 3(0.65,-0.95) 4(0.65,0.95) 5(0,0.95) 6(-0.65,0.95)
UMD2
  rect 0.8x0.9 smd: 1(1.05,0) 2(-1.05,0)
VQFN-20-1EP_3x3mm_P0.4mm_EP1.7x1.7mm
  rrect 0.69x0.69 smd: (-0.425,0.425) (-0.425,-0.425) (0.425,0.425) (0.425,-0.425)
  custom 0.8x0.2 smd: 1(-1.45,0.8) 5(-1.45,-0.8) 11(1.45,-0.8) 15(1.45,0.8)
  rrect 0.8x0.2 smd: 2(-1.45,0.4) 3(-1.45,0) 4(-1.45,-0.4) 12(1.45,-0.4) 13(1.45,0) 14(1.45,0.4)
  custom 0.2x0.8 smd: 6(-0.8,-1.45) 10(0.8,-1.45) 16(0.8,1.45) 20(-0.8,1.45)
  rrect 0.2x0.8 smd: 7(-0.4,-1.45) 8(0,-1.45) 9(0.4,-1.45) 17(0.4,1.45) 18(0,1.45) 19(-0.4,1.45)
  rect 1.7x1.7 smd: 21(0,0)

## Nets
+5V: C1.1 C1#2.1 C3.1 C3#2.1 C4.1 C4#2.1 C5.1 C5#2.1 C7.1 C7#2.1 C8.1 C8#2.1 C9.1 C9#2.1 C11.1 C11#2.1 C12.1 C12#2.1 C13.1 C13#2.1 C15.1 C15#2.1 C16.1 C16#2.1 C17.1 C17#2.1 C19.1 C19#2.1 C20.1 C20#2.1 C21.1 C21#2.1 C23.1 C23#2.1 C24.1 C24#2.1 C25.1 C25#2.1 C27.1 C27#2.1 C28.1 C28#2.1 C29.1 C29#2.1 C31.1 C31#2.1 C32.1 C32#2.1 C33.1 C33#2.1 C35.1 C35#2.1 C36.1 C36#2.1 C37.1 C37#2.1 C39.1 C39#2.1 C40.1 C40#2.1 C41.1 C41#2.1 C43.1 C43#2.1 C44.1 C44#2.1 C45.1 C45#2.1 C47.1 C47#2.1 C48.1 C48#2.1 C49.1 C49#2.1 C51.1 C51#2.1 C52.1 C52#2.1 C53.1 C53#2.1 C55.1 C55#2.1 C56.1 C56#2.1 C57.1 C57#2.1 C59.1 C59#2.1 C60.1 C60#2.1 Q1.2 Q1#2.2 Q5.2 Q5#2.2 Q9.2 Q9#2.2 Q13.2 Q13#2.2 Q17.2 Q17#2.2 Q21.2 Q21#2.2 Q25.2 Q25#2.2 Q29.2 Q29#2.2 Q33.2 Q33#2.2 Q37.2 Q37#2.2 Q41.2 Q41#2.2 Q45.2 Q45#2.2 Q49.2 Q49#2.2 Q53.2 Q53#2.2 Q57.2 Q57#2.2 U1.4 U1#2.4 U2.4 U2#2.4 U3.4 U3#2.4 U4.4 U4#2.4 U5.4 U5#2.4 U6.4 U6#2.4 U7.4 U7#2.4 U8.4 U8#2.4 U9.4 U9#2.4 U10.4 U10#2.4 U11.4 U11#2.4 U12.4 U12#2.4 U13.4 U13#2.4 U14.4 U14#2.4 U15.4 U15#2.4
+12V: C2.1 C2#2.1 C6.1 C6#2.1 C10.1 C10#2.1 C14.1 C14#2.1 C18.1 C18#2.1 C22.1 C22#2.1 C26.1 C26#2.1 C30.1 C30#2.1 C34.1 C34#2.1 C38.1 C38#2.1 C42.1 C42#2.1 C46.1 C46#2.1 C50.1 C50#2.1 C54.1 C54#2.1 C58.1 C58#2.1 D1.4 D1#2.4 D3.4 D3#2.4 D5.4 D5#2.4 D7.4 D7#2.4 D9.4 D9#2.4 D11.4 D11#2.4 D13.4 D13#2.4 D15.4 D15#2.4 D17.4 D17#2.4 D19.4 D19#2.4 D21.4 D21#2.4 D23.4 D23#2.4 D25.4 D25#2.4 D27.4 D27#2.4 D29.4 D29#2.4 P3.1 P3#2.1 P8.1 P8#2.1 P13.1 P13#2.1 P18.1 P18#2.1 P23.1 P23#2.1 P28.1 P28#2.1 P33.1 P33#2.1 P38.1 P38#2.1 P43.1 P43#2.1 P48.1 P48#2.1 P53.1 P53#2.1 P58.1 P58#2.1 P63.1 P63#2.1 P68.1 P68#2.1 P73.1 P73#2.1 Q1.3 Q1#2.3 Q5.3 Q5#2.3 Q9.3 Q9#2.3 Q13.3 Q13#2.3 Q17.3 Q17#2.3 Q21.3 Q21#2.3 Q25.3 Q25#2.3 Q29.3 Q29#2.3 Q33.3 Q33#2.3 Q37.3 Q37#2.3 Q41.3 Q41#2.3 Q45.3 Q45#2.3 Q49.3 Q49#2.3 Q53.3 Q53#2.3 Q57.3 Q57#2.3 R5.1 R5#2.1 R10.1 R10#2.1 R15.1 R15#2.1 R20.1 R20#2.1 R25.1 R25#2.1 R30.1 R30#2.1 R35.1 R35#2.1 R40.1 R40#2.1 R45.1 R45#2.1 R50.1 R50#2.1 R55.1 R55#2.1 R60.1 R60#2.1 R65.1 R65#2.1 R70.1 R70#2.1 R75.1 R75#2.1
